# KiCad board PB-TMDSP.kicad_pcb (continued)
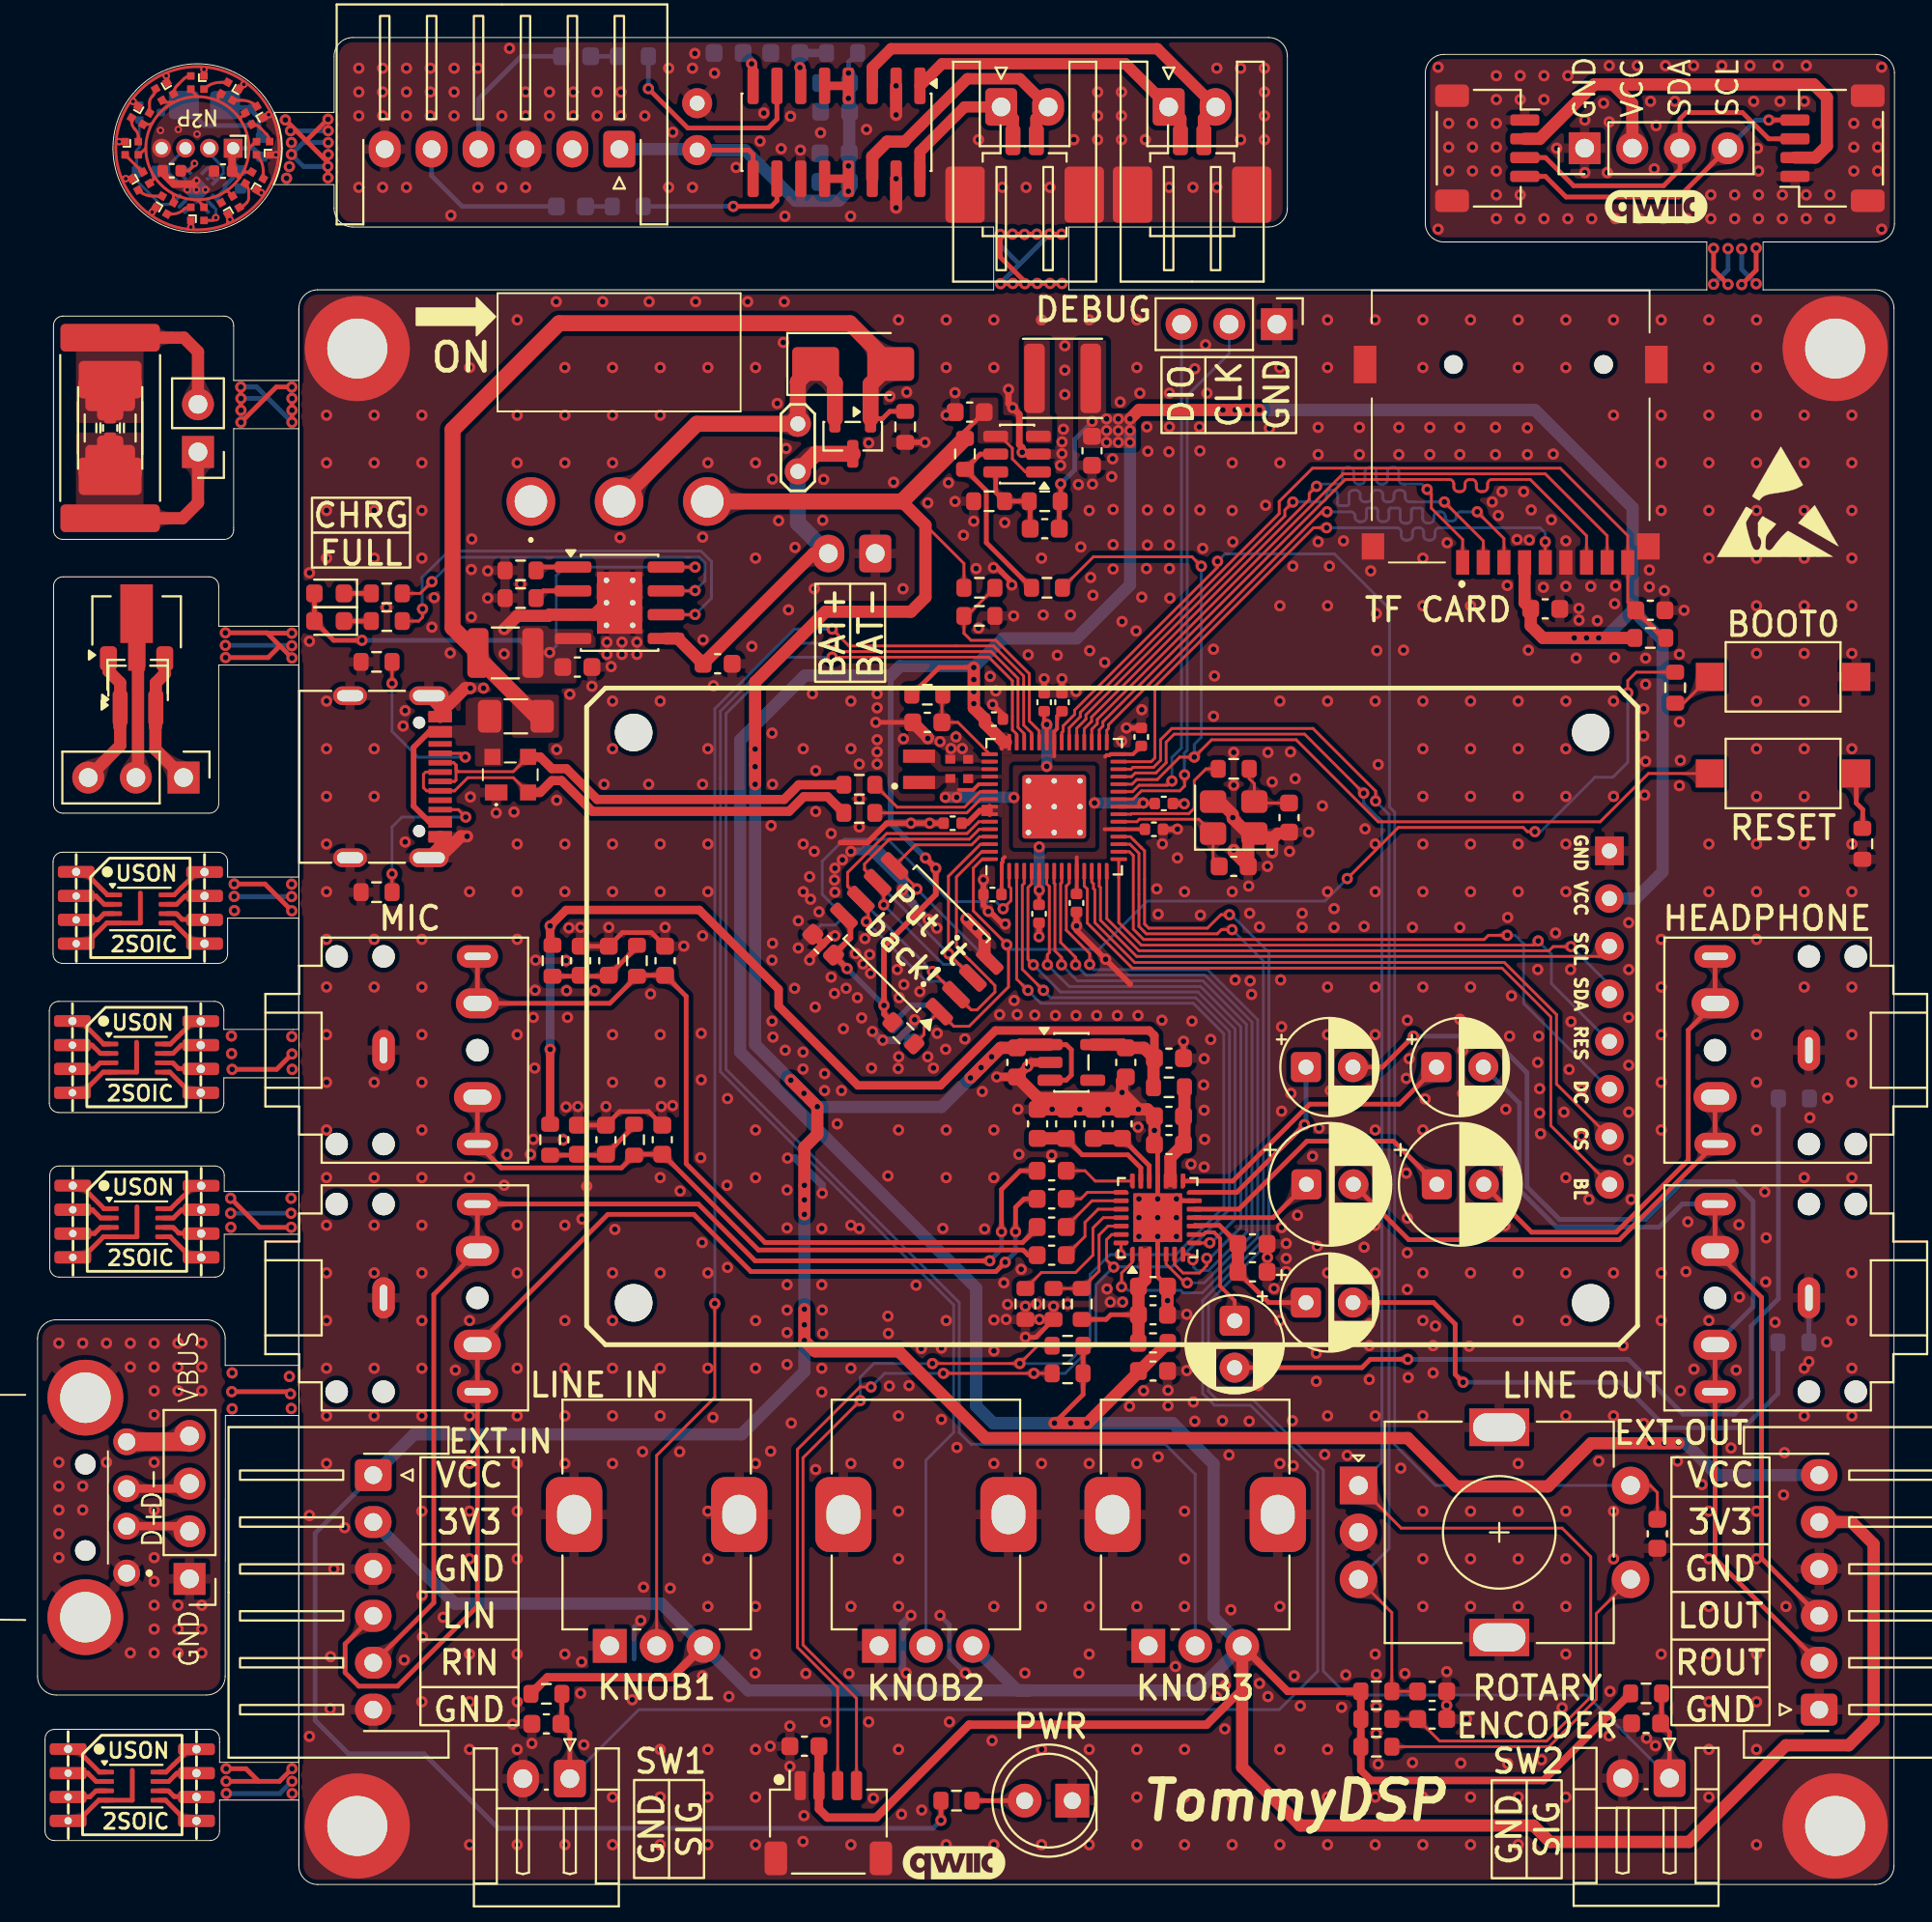
[diagram p0: board, top side]
## Routing (per net, layer and track width the routed paths; a pad name or vN(x,y) marks a point on that pad's centre or on a via; arc(x,y) is an arc through that point)
+1V1: length 21.3
  Top w0.2: 49.09,58.34 49.86,58.34 50.16,58.65 U203.50 ; U203.23 58.72,57.45 v1(58.92,57.64) 58.94,57.62 C209.1 ; U203.6 v1(53.38,52.99) 53.38,52.23 C210.1 ; U203.39 53.78,61.73 53.77,61.74 53.77,61.82 v1(53.78,61.83) 53.64,61.97 C207.1
  Top w0.25: v1(13.48,26.15) 13.36,26.27 v1(10.35,26.27)
  Bottom w0.6: v1(53.38,52.99) v1(53.38,55.3) ; v1(58.92,57.64) 58.91,57.65 v1(56.33,57.65) ; v1(53.78,61.83) v1(53.78,59.6) ; 52.01,57.95 v1(48.38,57.95)
  vias: v1(13.42,27.08) v1(48.98,57.95) v1(52.03,57.94)
+3.3VA: length 56.3
  Top w0.45: R306.1 27.31,50.19 v1(27.31,51.09) 28.17,51.94 35.27,51.94 39.49,47.72 39.49,46.82 43.72,42.59 48.11,42.59 51.04,45.52 59.24,45.52 59.52,45.24 C304.1 ; R304.1 v1(27.31,44.52)
  Top w0.65: R303.1 59.46,43.99 C304.1 58.96,44.59 C404.1 57.82,44.77 U401.5
  Bottom w0.45: v1(27.31,44.52) v1(27.31,51.09)
+3V3: length 452.3
  Top w0.2: C213.1 58.38,60.25 U203.30 57.18,60.25 57.13,60.2 56.97,60.2 56.89,60.12 ; C214.1 59,56.25 U203.20 56.86,56.25 ; C211.1 54.33,62.28 54.33,61.61 54.18,61.45 U203.38 54.18,60.13 ; U203.45 U203.44 ; C212.1 55.38,52.81 U203.11 55.38,54.75 ; C216.1 51.38,52.78 U203.1 51.38,54.45 51.43,54.5 51.43,54.66 51.54,54.77
  Top w0.25: v1(49.89,64.87) 48.04,64.87 R204.1 ; v1(54.52,74.66) 54.52,73.76 R405.1 54.45,73.68 C405.1 ; v1(54.19,24.59) 55.71,26.12 R102.1 R103.1
  Top w0.3: v1(43.14,48.82) C201.1 43.31,50.45 43.31,51.26 U201.8 ; 50.74,57.24 U203.54 ; 50.74,57.24 50.22,57.24 49.54,56.57 C217.1 ; 50.74,57.24 U203.53 ; v1(47.32,54.72) v1(47.86,54.17) 47.86,52.77 45.1,50.01 v1(45.1,46.86) 45.12,46.84 45.12,46.39 R201.1
  Top w0.4: R506.1 80.25,5.54 71.07,5.54 70.52,6.09 R510.1 R508.1 66.61,10.29 RV503.3
  Top w0.45: R505.1 27.17,11.04 33.81,11.04 RV501.3 ; J512.2 C509.1 41.64,4.02 42.09,3.57 44.69,3.57 49.64,8.52 62.3,8.52 64.19,10.41 RV503.3
  Top w0.65: C506.1 58.73,27.37 59.3,27.94 ; J2#3.2 94.73,92.05 95.35,92.67 95.35,95.25 94.65,95.95 82.95,95.95 80.05,93.05 J3.2 ; 51.6,60.89 51.49,60.89 50.48,61.89 C215.1 49.89,62.71 v1(49.89,62.94) v1(49.89,64.87) ; v1(65.11,78.59) 58.69,78.59 v1(58.21,78.12) ; v1(54.19,24.59) 55.95,24.59 59.3,27.94 ; 59.3,27.94 FB301.1 ; 85.11,66.44 v1(83.19,66.44) v1(82.54,66.44) 80.21,66.44 79.57,67.09 79.57,67.99 79.24,68.32 J511.4 ; RV503.3 64.19,6.24 67.29,3.14 79.71,3.14 80.59,2.27 88.02,2.27 93.17,7.42 96.52,7.42 97.84,8.74 97.84,18.14 96.67,19.32 J508.5 ; J1#2.2 84.98,94.92 83.95,95.95
  Bottom w0.25: v1(56.2,77.98) 56.2,77.96 55.27,77.03 55.27,75.4 v1(54.52,74.66)
  Bottom w0.3: C202.1 45.1,46.41 v1(45.1,46.86) v1(43.14,48.82) R202.1 ; C202.1 45.59,46.37 ; C202.1 46.54,46.87 47.72,46.87 U202.8 ; 45.47,64.44 45.47,56.57 v1(47.32,54.72) v1(47.86,54.17)
  Bottom w0.65: 52.82,10.35 37.86,10.35 RV501.3 33.24,14.97 22.24,14.97 J505.2 ; 52.82,10.35 61.82,10.35 RV503.3 62.67,14.24 62.67,22.42 60.49,24.59 50.92,24.59 50.02,25.49 50.02,31.79 37.44,44.37 37.44,60.99 40.89,64.44 45.47,64.44 45.97,64.94 49.96,64.94 51.44,66.42 55.36,66.42 58.21,69.27 v1(58.21,77.49) ; 52.82,10.35 52.21,10.35 RV502.3 ; v1(81.89,66.44) v1(83.19,66.44) 83.52,66.44 85,67.92 ; 85,67.92 86.59,66.33 86.59,53.97 85.17,52.55 83.76,52.55 ; 85,67.92 85,73.39 79.79,78.59 v1(65.11,78.59) v1(63.82,78.59) v1(63.17,78.59) ; v1(49.89,62.94) v1(49.89,64.87)
  vias: v1(49.89,64.23) v1(49.89,63.59) v1(55.05,24.59) v1(55.92,24.59) v1(56.96,78.12) v1(56.96,77.49) v1(56.96,76.87) v1(57.59,78.12) v1(57.59,77.49) v1(57.59,76.87) v1(58.21,76.87) v1(64.46,78.59)
/Audio/AVDD: length 5.8
  Top w0.25: U301.17 U301.16
  Top w0.65: 60.36,37.49 60.36,38.74 C311.1 61.11,39.49 R303.2
/Audio/DVDD: length 8.5
  Top w0.25: R301.1 56.94,30.12 57.19,30.37 C308.1 ; U301.2 U301.3
  Top w0.65: FB301.2 58.67,28.88 C310.1 59.04,32.24 59.04,33.59
/VBAT_ADC: length 11.4
  Top w0.15: R501.2 49.52,67.62 49.36,67.62 49.36,66.69 49.74,66.32 51.07,66.32 52.85,64.54 52.85,62.02 53.38,61.49 U203.40
GND: length 165.3
  Top w0.15: D6.1 6.9,96.37 v2(6.86,96.41) 6.76,96.5 ; 4.25,92.9 v2(4.35,92.9) D4.1 ; 8.16,88.24 8.17,88.25 v2(8.17,88.35) D1.1 ; D8.1 v2(10.99,95.96) 11.06,96.02 11.06,96.05 ; D3.1 v2(4.7,90.93) 4.56,90.93 4.48,91.01 ; D11.1 11.78,90.32 v2(11.92,90.17) 12.04,90.06 12.06,90.06 ; 12.41,94.43 v2(12.31,94.34) 12.15,94.17 D9.1 ; D7.1 v2(8.87,96.75) 8.87,96.83 8.83,96.86 ; 12.83,92.22 12.81,92.2 v2(12.7,92.2) D10.1 ; D12.1 10.14,88.86 v2(10.25,88.75) 10.14,88.64 10.14,88.56 10.15,88.55 ; D5.1 v2(5.09,95.04) 5.05,95.08 5.02,95.08 ; D2.1 6.29,89.33 v2(6.1,89.14) 6,89.04
  Top w0.2: 61.09,57.62 v1(61.11,57.61)
  Top w0.25: v1(52.64,29.17) 53.19,29.17 R302.1 ; U2#2.4 2.59,50.15 3.69,51.25 U1#3.4 5.48,51.25 5.48,52.85 ; U2.4 2.39,42.2 3.49,43.3 U1#4.4 5.28,43.3 5.28,44.9 ; Y201.2 66.61,56.02 C206.2 ; U2#4.4 2.42,33.43 3.51,34.52 U1.4 5.3,34.52 5.3,36.12 ; v1(59.69,35.54) U301.18 59.69,39.27 C311.2 ; v1(59.69,35.54) 60.59,36.44 61.64,36.44 ; v1(59.69,35.54) U301.4 59.69,32.39 60.21,31.87 ; C325.2 32.71,50.74 31.17,50.74 C324.2 C323.2 ; 5.05,6.09 5.05,4.49 U1#5.4 3.26,4.49 2.17,3.39 U2#3.4 ; C208.2 v1(44.67,61.94) ; C322.2 32.56,41.2 31.02,41.2 C321.2 C320.2
  Top w0.3: C215.2 51.44,62.35 v1(50.89,62.9) ; v1(51.92,69.27) 51.92,69.41 51.13,70.19 v1(50.94,70.19) ; v1(60.74,56.26) 60.73,56.24 C214.2 ; C211.2 v1(54.59,64.27) ; C213.2 v1(58.03,61.65) ; C209.2 61.09,57.62 ; C207.2 v1(53.64,64.27) ; v1(55.36,51.09) C212.2 55.36,50.85 58.21,48 58.21,47.99 ; C217.2 v1(47.54,56.57) v1(46.54,56.57) 45.25,56.57 44.22,55.54 42.78,55.54 ; v1(50.41,53.55) C216.2 50.41,52.21 51.42,51.19 v1(51.57,51.19) ; C304.2 v1(61.07,44.94) ; R409.2 v1(47.29,76.87) ; C210.2 v1(53.36,50.52)
  Top w0.35: 51.74,79.77 v1(51.74,79.69) 51.74,78.94 v1(51.96,78.72) 52.32,78.37 52.32,76.75 52.47,76.6 v1(52.47,76.34) 52.73,76.34 52.82,76.24 U402.2
  Top w0.4: C201.2 41.85,50.11 ; 41.85,50.11 41.14,49.41 v1(41.14,49.27) ; 41.85,50.11 42.3,50.57 v1(42.49,50.57) ; v2(8.47,90.82) 8.29,90.64 7.26,90.64 6.67,91.23 C3.2
  Top w0.45: v1(51.11,43.04) C402.2 v1(52.75,43.61) 52.96,43.82 U401.2
  Top w0.65: J501.A12 21.45,55.32 J501.S1 21.41,54.72 22.56,55.87 v1(22.89,55.87) ; C404.2 57.79,42.84 v1(57.79,42.22) ; v1(57.79,42.22) 57.49,41.92 53.32,41.92 C402.2 ; v1(57.79,42.22) C302.2 ; v1(57.79,42.22) 57.79,42.19 v1(58.67,41.32) ; 60.21,31.87 v1(60.21,31.12) 60.21,30.37 ; 20.86,63.36 21.45,62.76 J501.A1 21.45,62.43 22.79,63.77 v1(23.06,63.77) ; v1(58.67,41.32) C302.2 ; v1(58.67,41.32) 59.14,41.32 C309.2 v1(59.52,40.19) C311.2 ; U201.4 50.46,49.49 v1(50.46,50.49) 49.52,51.44 49.52,51.46 ; v1(65.79,55.02) 65.79,55.72 66.09,56.02 ; C302.2 v1(57.04,41.32) v1(55.54,41.32) v1(54.07,41.32) C307.2 ; v1(45.75,94.32) v1(45.75,95.87) ; v1(63.74,55.14) 63.74,55.04 C205.2 64.52,55.69 Y201.2 64.49,56.02 63.69,56.82 v1(63.69,56.87) 63.69,57.04 63.01,57.72 Y201.4 ; v1(47.44,61.09) 47.44,61.14 C208.2 ; U403.9 29.68,67.68 U403.3 27.28,67.68 27.22,67.62 25.56,67.62 v1(24.87,66.92) ; v1(45.75,90.92) v1(45.75,89.37)
  Bottom w0.25: 31.79,12.02 31.79,13.72 v1(32.14,14.07) ; Q1#2.2 5.29,94.85 v2(5.09,95.04) ; v1(49.44,11.27) 48.59,12.12 48.59,13.84 v1(48.09,14.34) ; J510.S R308.1
  Bottom w0.4: v1(46.08,53) 46.08,53.38 44.39,55.07 v1(43.34,55.07) ; C202.2 46.18,45.33 46.18,45.38 ; 46.18,45.38 45.81,45 v1(45.04,45) 44.96,45 v1(44.49,45.47) ; 46.18,45.38 46.74,45.93 v1(46.74,46.09) ; v1(46.29,11.27) 46.09,11.47 46.09,13.89 v1(46.54,14.34) ; v1(41.81,36.84) 41.81,37.28 40.37,38.72 v1(39.97,38.72)
  Bottom w0.45: v1(47.92,50.98) v1(47.46,51.44) 46.18,52.72 46.18,53.8 U202.4 44.81,55.17 44.09,55.17 ; 42.47,52.92 v1(42.49,52.89)
  vias: v1(1.14,28.85) v1(1.14,22.5) v1(1.14,21.23) v1(1.14,19.96) v1(1.14,18.69) v1(1.14,17.42) v1(2.41,28.85) v1(2.41,21.23) v1(2.41,19.96) v1(3.67,28.85) v1(3.67,22.5) v1(4.95,28.85) v1(4.95,27.58) v1(4.95,12.34) v1(6.22,28.85) v1(6.22,27.58) v1(6.22,26.31) v1(6.22,25.04) v1(6.22,22.5) v1(6.22,19.96) v1(6.22,17.42) v1(6.22,16.15) v1(6.22,14.88) v1(6.22,13.61) v1(6.22,12.34) v1(7.48,28.85) v1(7.48,27.58) v1(7.48,26.31) v1(7.48,14.88) v1(7.48,13.61) v1(7.48,12.34) v1(8.76,28.85) v1(8.76,27.58) v1(8.76,26.31) v1(8.76,14.88) v1(8.76,13.61) v1(8.76,12.34) v1(14.49,69.92) v1(14.49,66.27) v1(14.49,19.67) v1(14.49,7.89) v1(15.4,78.32) v1(15.4,75.78) v1(15.4,73.24) v1(15.4,70.7) v1(15.4,63.08) v1(15.4,60.54) v1(15.4,58) v1(15.4,55.46) v1(15.4,52.92) v1(15.4,50.38) v1(15.4,47.84) v1(15.4,45.3) v1(15.4,42.76) v1(15.4,40.22) v1(15.4,37.68) v1(15.4,35.14) v1(15.4,32.6) v1(15.4,30.06) v1(15.4,27.52) v1(15.4,24.98) v1(15.4,22.44) v1(15.59,9.37) v1(15.62,12.14) v1(15.79,16.82) v1(16.37,19.02) v1(17.12,96.81) v1(17.12,95.54) v1(17.12,94.27) v1(17.12,90.46) v1(17.94,78.32) v1(17.94,75.78) v1(17.94,73.24) v1(17.94,70.7) v1(17.94,60.54) v1(17.94,58) v1(17.94,50.38) v1(17.94,47.84) v1(17.94,42.76) v1(17.94,37.68) v1(17.94,35.14) v1(17.94,32.6) v1(17.94,27.52) v1(17.94,24.98) v1(18.39,96.81) v1(18.39,95.54) v1(18.39,94.27) v1(18.39,90.46) v1(18.59,68.07) v1(19.48,61.75) v1(19.59,62.57) v1(19.59,55.57) v1(19.54,11.97) v1(19.66,96.81) v1(19.66,95.54) v1(19.66,94.27) v1(19.66,90.46) v1(20.48,78.32) v1(20.48,75.78) v1(20.48,73.24) v1(20.48,70.7) v1(20.48,50.38) v1(20.48,47.84) v1(20.48,45.3) v1(20.48,42.76) v1(20.48,40.22) v1(20.48,37.68) v1(20.48,35.14) v1(20.48,32.6) v1(20.48,30.06) v1(20.48,27.52) v1(20.48,24.98) v1(20.48,19.9) v1(20.49,15.42) v1(20.48,9.74) v1(20.52,13.19) v1(20.93,96.81) v1(20.93,95.54) v1(20.93,94.27) v1(21.02,67.02) v1(21.14,68.59) v1(21.62,14.24) v1(21.99,65.64) v1(22.03,88.97) v1(22.2,96.81) v1(22.2,95.54) v1(22.2,94.27) v1(22.27,27.42) v1(23.02,83.4) v1(23.02,80.86) v1(23.06,57.97) v1(23.02,52.92) v1(23.02,37.68) v1(23.02,30.06) v1(23.02,24.98) v1(23.02,22.44) v1(23.02,19.9) v1(23.02,17.36) v1(23.02,12.28) v1(23.02,9.74) v1(23.02,7.2) v1(23.02,2.12) v1(23.14,71.72) v1(23.12,70.09) v1(23.12,67.57) v1(23.47,96.81) v1(23.47,90.46) v1(23.77,63.77) v1(23.99,70.02) v1(23.99,68.57) v1(24.44,57.12) v1(24.74,94.27) v1(24.74,90.46) v1(24.87,65.59) v1(24.87,37.27) v1(25.02,38.92) v1(25.15,97.87) v1(25.39,57.17) v1(25.31,8.54) v1(25.56,83.4) v1(25.56,78.32) v1(25.56,75.78) v1(25.56,55.46) v1(25.56,52.92) v1(25.56,50.38) v1(25.56,45.3) v1(25.56,35.14) v1(25.56,32.6) v1(25.56,27.52) v1(25.56,24.98) v1(25.56,22.44) v1(25.56,19.9) v1(25.56,17.36) v1(25.56,12.28) v1(25.56,9.74) v1(25.56,7.2) v1(25.56,2.12) v1(25.74,69.32) v1(26.01,95.54) v1(26.01,94.27) v1(26.01,90.46) v1(26.27,38.92) v1(26.34,7.52) v1(26.42,46.22) v1(26.49,43.52) v1(26.42,39.72) v1(26.54,49.27) v1(26.52,47.67) v1(27.28,95.54) v1(27.28,94.27) v1(27.64,84.37) v1(27.67,60.49) v1(27.67,57.79) v1(28.02,39.69) v1(28.1,80.86) v1(28.1,78.32) v1(28.1,75.78) v1(28.1,55.46) v1(28.1,52.92) v1(28.17,49.24) v1(28.19,47.64) v1(28.17,41.44) v1(28.1,35.14) v1(28.1,30.06) v1(28.1,27.52) v1(28.1,24.98) v1(28.1,22.44) v1(28.1,12.28) v1(28.1,2.12) v1(28.24,46.22) v1(28.37,63.44) v1(28.31,50.99) v1(28.55,95.54) v1(28.55,94.27) v1(28.79,41.47) v1(28.94,51.02) v1(28.99,11.87) v1(28.94,10.19) v1(29.02,35.47) v1(29.12,7.44) v1(29.27,37.22) v1(29.54,63.87) v1(29.69,47.64) v1(29.82,95.54) v1(29.82,94.27) v1(30.12,84.37) v1(30.19,58.64) v1(30.29,41.47) v1(30.34,66.22) v1(30.34,65.57) v1(30.44,51.02) v1(30.56,64.92) v1(30.64,80.86) v1(30.64,78.32) v1(30.64,75.78) v1(30.64,63.08) v1(30.64,60.54) v1(30.64,55.46) v1(30.64,52.92) v1(30.64,45.3) v1(30.64,42.76) v1(30.64,32.6) v1(30.64,30.06) v1(30.64,27.52) v1(30.64,24.98) v1(30.64,22.44) v1(30.64,4.66) v1(30.64,2.12) v1(30.77,34.92) v1(31.09,95.54) v1(31.09,94.27) v1(31.04,71.79) v1(31.14,66.22) v1(31.14,65.57) v1(31.69,9.84) v1(31.94,66.22) v1(31.94,65.57) v1(32.24,23.07) v1(32.29,15.84) v1(32.36,94.27) v1(32.59,84.37) v1(32.56,58.64) v1(32.67,47.47) v1(33.18,80.86) v1(33.18,78.32) v1(33.18,63.08) v1(33.18,55.46) v1(33.18,52.92) v1(33.18,45.3) v1(33.18,42.76) v1(33.18,37.68) v1(33.18,32.6) v1(33.18,27.52) v1(33.18,24.98) v1(33.18,7.2) v1(33.18,4.66) v1(33.18,2.12) v1(33.24,41.47) v1(33.44,51.02) v1(33.63,96.81) v1(33.63,90.46) v1(33.72,15.79) v1(33.85,93.4) v1(33.84,41.52) v1(34.24,36.97) v1(34.22,23.07) v1(34.44,50.02) v1(34.9,96.81) v1(34.9,90.46) v1(35.03,97.6) v1(35.06,84.37) v1(35.37,45.37) v1(35.37,42.89) v1(35.34,38.74) v1(35.44,71.82) v1(35.47,66.34) v1(35.44,58.64) v1(35.44,50.57) v1(35.42,34.22) v1(35.44,11.12) v1(35.72,80.86) v1(35.72,75.78) v1(35.72,60.54) v1(35.72,55.46) v1(35.72,52.92) v1(35.72,32.6) v1(35.72,27.52) v1(35.72,19.9) v1(35.72,17.36) v1(35.72,14.82) v1(35.72,7.2) v1(35.72,4.66) v1(35.72,2.12) v1(35.99,24.89) v1(36.08,96.55) v1(36.02,63.89) v1(36.77,41.89) v1(36.74,37.27) v1(36.77,32.89) v1(36.84,10.02) v1(37.23,91.52) v1(37.84,84.37) v1(38.06,65.99) v1(38.26,80.86) v1(38.26,75.78) v1(38.26,70.7) v1(38.26,40.22) v1(38.26,37.68) v1(38.26,30.06) v1(38.26,27.52) v1(38.26,22.44) v1(38.26,14.82) v1(38.26,12.28) v1(38.24,11.27) v1(38.26,7.2) v1(38.26,4.66) v1(38.26,2.12) v1(38.5,92.92) v1(38.7,94.42) v1(39.09,56.44) v1(39.06,23.09) v1(39.04,7.37) v1(39.17,74.92) v1(39.14,61.37) v1(39.17,58.64) v1(39.17,50.17) v1(39.14,49.27) v1(39.14,46.02) v1(39.19,45.17) v1(39.42,78.94) v1(39.49,72.69) v1(39.62,92.52) v1(39.79,84.37) v1(39.74,82.19) v1(39.83,88.92) v1(39.89,76.54) v1(39.84,44.47) v1(39.94,37.02) v1(39.94,34.99) v1(39.94,31.97) v1(39.94,30.62) v1(39.94,29.42) v1(39.94,27.72) v1(40.02,67.94) v1(40.09,8.44) v1(40.09,6.29) v1(40.12,94.25) v1(40.17,24.59) v1(40.37,71.27) v1(40.34,47.77) v1(40.54,51.37) v1(40.54,49.92) v1(40.65,92.45) v1(40.8,60.54) v1(40.8,55.46) v1(40.8,52.92) v1(40.79,44.37) v1(40.79,43.47) v1(40.79,2.29) v1(40.84,3.67) v1(40.94,11.24) v1(41.14,53.72) v1(41.19,52.52) v1(41.29,63.47) v1(41.39,69.07) v1(41.39,55.07) v1(41.47,59.37) v1(41.47,57.19) v1(41.44,46.77) v1(41.47,22.12) v1(41.64,51.84) v1(41.73,93.37) v1(41.79,34.97) v1(41.79,31.97) v1(41.79,27.52) v1(41.79,26.24) v1(41.89,74.89) v1(41.84,72.72) v1(41.81,30.62) v1(41.84,29.37) v1(41.94,43.22) v1(41.94,42.32) v1(41.99,8.67) v1(42.29,56.02) v1(42.29,48.37) v1(42.49,54.17) v1(42.47,53.54) v1(42.47,47.49) v1(42.62,40.54) v1(42.89,54.62) v1(42.84,42.32) v1(42.94,45.62) v1(43.09,47.77) v1(43.24,11.24) v1(43.33,88.92) v1(43.34,63.08) v1(43.34,60.54) v1(43.34,35.14) v1(43.34,27.52) v1(43.34,22.44) v1(43.34,14.82) v1(43.34,2.12) v1(43.59,49.62) v1(43.69,47.27) v1(43.79,59.72) v1(43.79,57.87) v1(43.79,56.37) v1(43.79,34.97) v1(43.99,49.07) v1(43.92,46.19) v1(44.09,50.42) v1(44.17,93.55) v1(44.29,76.84) v1(44.29,8.67) v1(44.34,49.57) v1(44.39,48.57) v1(44.44,43.52) v1(44.54,4.59) v1(44.74,63.47) v1(44.74,62.72) v1(44.74,61.02) v1(44.74,60.37) v1(44.74,59.72) v1(45.31,37.77) v1(45.31,30.29) v1(45.34,29.37) v1(45.39,26.57) v1(45.42,79.32) v1(45.62,74.74) v1(45.88,83.4) v1(45.81,48.77) v1(45.89,44.12) v1(45.87,43.49) v1(45.88,40.22) v1(45.88,24.98) v1(45.88,22.44) v1(45.88,19.9) v1(45.88,17.36) v1(45.88,14.82) v1(45.88,7.2) v1(45.92,47.27) v1(46.04,3.74) v1(46.12,69.07) v1(46.14,61.07) v1(46.17,47.97) v1(46.31,79.54) v1(46.44,26.59) v1(46.81,31.94) v1(47.02,47.59) v1(47.09,28.57) v1(47.11,3.97) v1(47.44,73.64) v1(47.44,44.12) v1(47.74,43.52) v1(47.94,45.37) v1(48.09,60.92) v1(48.17,28.59) v1(48.17,24.79) v1(48.24,34.97) v1(48.39,44.52) v1(48.42,83.4) v1(48.42,80.86) v1(48.42,78.32) v1(48.42,40.22) v1(48.42,37.68) v1(48.42,30.06) v1(48.42,2.12) v1(48.54,74.72) v1(48.59,8.67) v1(48.68,60.55) v1(48.89,79.52) v1(48.89,73.72) v1(48.94,61.17) v1(48.99,23.29) v1(49.28,60.55) v1(49.34,71.92) v1(49.49,51.49) v1(49.42,45.07) v1(49.89,72.67) v1(49.96,50.99) v1(50.02,70.14) v1(50.14,93) v1(50.14,66.97) v1(50.34,42.27) v1(50.46,34.94) v1(50.67,51.87) v1(50.77,64.39) v1(50.86,7.67) v1(50.96,83.4) v1(50.96,80.86) v1(50.96,40.22) v1(50.96,37.68) v1(50.96,30.09) v1(50.96,28.44) v1(50.96,22.44) v1(50.96,14.82) v1(50.96,2.12) v1(51.07,63.62) v1(51.27,46.37) v1(51.41,90.46) v1(51.49,32.07) v1(51.54,72.59) v1(51.69,30.92) v1(51.61,30.12) v1(52.02,67.62) v1(52.04,47.12) v1(52.2,46.37) v1(52.24,41.32) v1(52.29,38.92) v1(52.42,32.79) v1(52.68,90.46) v1(52.64,30.82) v1(52.61,11.27) v1(52.79,65.54) v1(53.14,46.34) v1(53.24,30.94) v1(53.39,30.12) v1(53.5,83.4) v1(53.5,70.7) v1(53.59,67.67) v1(53.5,22.44) v1(53.5,14.82) v1(53.5,7.2) v1(53.5,2.12) v1(53.95,90.46) v1(54.04,38.87) v1(54.14,30.82) v1(54.24,46.32) v1(54.34,65.52) v1(54.59,76.89) v1(54.59,76.27) v1(54.52,75.64) v1(54.67,77.57) v1(54.74,82.02) v1(54.74,80.72) v1(54.74,79.42) v1(54.89,30.94) v1(55.04,67.67) v1(55.22,93) v1(55.34,63.59) v1(55.34,46.32) v1(55.46,74.62) v1(55.49,11.27) v1(55.59,71.29) v1(56.04,83.4) v1(56.04,73.24) v1(56.07,65.77) v1(56.04,22.44) v1(56.04,14.82) v1(56.04,12.28) v1(56.04,7.2) v1(56.04,2.12) v1(56.11,69.67) v1(56.21,74.64) v1(56.24,68.72) v1(56.49,95.54) v1(56.49,94.27) v1(56.49,93) v1(56.44,46.32) v1(56.86,65.14) v1(56.92,49.32) v1(56.99,31.74) v1(57.17,31.04) v1(57.29,75.99) v1(57.24,75.04) v1(57.32,73.29) v1(57.32,71.42) v1(57.32,70.12) v1(57.54,46.32) v1(57.69,79.02) v1(57.76,95.54) v1(57.76,94.27) v1(57.76,93) v1(57.79,67.32) v1(57.77,60.94) v1(57.82,31.04) v1(58.19,25.49) v1(58.58,83.4) v1(58.58,80.86) v1(58.54,66.82) v1(58.58,22.44) v1(58.58,14.82) v1(58.58,7.2) v1(58.58,4.66) v1(58.58,2.12) v1(58.64,46.32) v1(58.64,40.37) v1(58.69,36.54) v1(58.69,35.54) v1(58.69,34.54) v1(58.74,79.49) v1(58.84,68.62) v1(58.84,62.62) v1(58.94,26.32) v1(59.03,93) v1(59.09,70.14) v1(59.11,77.69) v1(59.17,76.39) v1(59.14,73.27) v1(59.14,71.39) v1(59.64,53.07) v1(59.69,36.54) v1(59.69,34.54) v1(59.71,51.72) v1(59.71,22.79) v1(59.94,55.47) v1(59.92,46.07) v1(60.3,90.46) v1(60.29,76.37) v1(60.29,73.27) v1(60.24,26.34) v1(60.24,25.52) v1(60.32,79.49) v1(60.32,77.69) v1(60.32,71.39) v1(60.32,70.14) v1(60.34,68.57) v1(60.69,36.54) v1(60.69,35.54) v1(60.69,34.54) v1(60.64,11.62) v1(60.74,54.72) v1(61.12,52.92) v1(61.12,19.9) v1(61.12,17.36) v1(61.12,14.82) v1(61.12,7.2) v1(61.12,4.66) v1(61.12,2.12) v1(61.24,30.39) v1(61.24,27.39) v1(61.46,38.39) v1(61.57,90.46) v1(61.52,46.02) v1(61.59,25.72) v1(61.67,80.79) v1(61.67,24.69) v1(61.92,77.69) v1(61.94,76.42) v1(61.94,73.27) v1(61.96,51.67) v1(62.09,71.22) v1(62.17,44.02) v1(62.14,42.62) v1(62.17,41.27) v1(62.19,39.72) v1(62.17,38.24) v1(62.24,82.07) v1(62.32,79.49) v1(62.52,45.04) v1(62.67,65.84) v1(62.67,62.27) v1(62.71,64.42) v1(62.84,96.81) v1(62.84,90.46) v1(62.82,9.99) v1(63.14,24.72) v1(63.29,10.62) v1(63.27,8.29) v1(63.49,22.89) v1(63.59,14.64) v1(63.66,75.78) v1(63.66,73.24) v1(63.69,71.57) v1(63.66,52.92) v1(63.66,4.66) v1(63.66,2.12) v1(63.74,60.34) v1(63.74,58.59) v1(63.82,48.22) v1(64.11,96.81) v1(64.11,93) v1(64.54,53.22) v1(64.59,51.77) v1(64.57,24.69) v1(64.61,48.17) v1(64.69,47.44) v1(65.04,26.59) v1(65.11,51.04) v1(65.11,10.72) v1(65.21,28.34) v1(65.38,96.81) v1(65.38,95.54) v1(65.38,94.27) v1(65.38,93) v1(65.44,73.52) v1(65.57,60.34) v1(65.54,54.27) v1(65.54,33.42) v1(65.57,10.02) v1(65.64,77.62) v1(65.79,58.77) v1(65.89,31.77) v1(66.2,80.86) v1(66.2,75.78) v1(66.2,68.16) v1(66.2,63.08) v1(66.2,30.06) v1(66.2,22.44) v1(66.2,14.82) v1(66.2,7.2) v1(66.2,2.12) v1(66.24,48.22) v1(66.29,45.72) v1(66.29,41.22) v1(66.29,35.02) v1(66.54,34.17) v1(66.54,33.37) v1(66.54,32.67) v1(66.77,60.37) v1(66.71,55.07) v1(66.79,42.17) v1(66.89,70.27) v1(66.86,24.72) v1(66.92,22.32) v1(66.96,11.12) v1(67.02,58.94) v1(67.14,35.67) v1(67.29,9.52) v1(67.39,51.77) v1(67.39,51.02) v1(67.74,56.09) v1(67.94,38.82) v1(68.19,34.02) v1(68.14,28.32) v1(68.14,26.82) v1(68.24,77.67) v1(68.24,76.22) v1(68.24,71.57) v1(68.29,40.32) v1(68.46,57.49) v1(68.59,22.92) v1(68.74,83.4) v1(68.74,80.86) v1(68.74,68.16) v1(68.74,63.08) v1(68.74,52.92) v1(68.74,47.84) v1(68.74,45.3) v1(68.74,32.6) v1(68.74,24.98) v1(68.74,7.2) v1(68.74,4.66) v1(68.74,2.12) v1(68.84,70.27) v1(68.89,42.32) v1(69.09,52.02) v1(69.09,51.02) v1(69.44,40.32) v1(69.49,9.44) v1(69.59,71.62) v1(69.79,22.87) v1(69.71,11.17) v1(70.44,77.67) v1(70.44,76.22) v1(70.69,51.07) v1(70.69,33.97) v1(70.74,56.27) v1(70.94,42.37) v1(70.99,38.92) v1(70.99,29.89) v1(70.96,28.72) v1(70.96,26.92) v1(71.04,70.02) v1(71.28,83.4) v1(71.28,63.08) v1(71.28,55.46) v1(71.28,52.92) v1(71.28,47.84) v1(71.28,45.3) v1(71.28,40.22) v1(71.28,35.14) v1(71.28,32.6) v1(71.28,24.98) v1(71.28,12.28) v1(71.28,4.66) v1(71.28,2.12) v1(71.34,67.74) v1(71.36,65.77) v1(71.34,11.19) v1(71.34,9.47) v1(71.34,8.04) v1(71.44,59.69) v1(71.44,6.42) v1(72.54,77.67) v1(72.54,76.22) v1(72.64,22.19) v1(72.79,65.79) v1(72.86,11.24) v1(72.99,46.07) v1(72.94,42.97) v1(72.94,37.92) v1(72.99,35.52) v1(72.99,33.67) v1(72.99,31.72) v1(73.09,44.02) v1(73.04,27.02) v1(73.27,51.02) v1(73.27,6.49) v1(73.82,83.4) v1(73.82,80.86) v1(73.82,70.7) v1(73.82,68.16) v1(73.82,63.08) v1(73.82,60.54) v1(73.82,58) v1(73.82,55.46) v1(73.82,52.92) v1(73.82,47.84) v1(73.82,40.22) v1(73.82,32.6) v1(73.82,30.06) v1(73.82,24.98) v1(73.82,19.9) v1(73.82,17.36) v1(73.82,14.82) v1(73.82,4.66) v1(73.82,2.12) v1(73.94,41.87) v1(74.19,77.67) v1(74.19,76.22) v1(74.36,28.72) v1(74.36,27.27) v1(74.49,29.77) v1(74.63,96.87) v1(74.63,88.23) v1(75.09,11.34) v1(75.09,9.54) v1(75.2,93.87) v1(75.2,92.6) v1(75.2,91.33) v1(75.11,71.52) v1(75.79,77.67) v1(75.79,76.22) v1(75.79,51.02) v1(75.79,46.12) v1(75.84,6.47) v1(75.94,44.47) v1(75.94,42.17) v1(76.14,8.82) v1(76.29,28.69) v1(76.36,83.4) v1(76.36,68.16) v1(76.36,63.08) v1(76.36,60.54) v1(76.36,58) v1(76.36,55.46) v1(76.36,52.92) v1(76.36,47.84) v1(76.36,40.22) v1(76.36,35.14) v1(76.36,32.6) v1(76.36,19.9) v1(76.36,17.36) v1(76.36,14.82) v1(76.36,4.66) v1(76.36,2.12) v1(76.46,93.87) v1(76.46,92.6) v1(76.46,91.33) v1(77.52,73.69) v1(77.69,77.67) v1(77.69,76.22) v1(77.73,96.41) v1(77.73,95.14) v1(77.73,93.87) v1(77.73,92.6) v1(77.73,91.33) v1(77.73,90.06) v1(77.73,88.79) v1(77.84,72.97) v1(78.04,74.24) v1(78.19,38.27) v1(78.19,35.12) v1(78.24,41.32) v1(78.32,69.24) v1(78.34,51.54) v1(78.34,6.44) v1(78.44,45.22) v1(78.54,47.37) v1(78.9,83.4) v1(78.9,80.86) v1(78.84,71.69) v1(78.9,63.08) v1(78.9,60.54) v1(78.9,58) v1(78.9,55.46) v1(78.9,52.92) v1(78.9,32.6) v1(78.9,30.06) v1(78.9,22.44) v1(78.9,19.9) v1(78.9,17.36) v1(78.9,14.82) v1(78.9,4.66) v1(78.9,2.12) v1(79.01,96.41) v1(79.01,95.14) v1(79.01,90.06) v1(79.01,88.79) v1(79.19,74.24) v1(79.39,77.64) v1(79.39,76.22) v1(79.49,71.67) v1(79.44,65.79) v1(79.59,73.27) v1(79.94,48.77) v1(79.99,45.22) v1(79.94,43.82) v1(80.04,42.42) v1(80.04,41.12) v1(80.09,40.02) v1(80.14,6.64) v1(80.27,96.41) v1(80.27,95.14) v1(80.27,88.79) v1(80.24,69.14) v1(80.67,72.74) v1(80.77,76.24) v1(80.89,50.72) v1(80.95,92.55) v1(81.24,9.42) v1(81.34,41.17) v1(81.44,83.4) v1(81.44,80.86) v1(81.44,71.62) v1(81.44,69.19) v1(81.44,63.08) v1(81.44,60.54) v1(81.44,58) v1(81.44,55.46) v1(81.44,52.92) v1(81.44,37.68) v1(81.44,32.6) v1(81.44,30.06) v1(81.44,24.98) v1(81.44,19.9) v1(81.44,17.36) v1(81.44,14.82) v1(81.44,12.28) v1(81.44,4.66) v1(81.55,96.41) v1(81.55,88.79) v1(81.69,48.77) v1(81.61,43.44) v1(81.71,45.99) v1(81.99,65.37) v1(82.14,68.02) v1(82.14,67.39) v1(82.29,42.39) v1(82.27,39.89) v1(82.45,94.05) v1(82.45,91.25) v1(82.67,36.52) v1(82.77,69.19) v1(82.82,88.79) v1(83.11,67.37) v1(83.19,22.57) v1(83.45,94.95) v1(83.65,91.25) v1(83.75,96.95) v1(83.75,93.95) v1(83.79,10.29) v1(83.74,7.92) v1(83.98,83.4) v1(83.98,78.32) v1(83.98,63.08) v1(83.98,58) v1(83.98,32.6) v1(83.98,24.98) v1(83.98,19.9) v1(83.98,17.36) v1(84.08,88.79) v1(84.09,69.22) v1(84.04,68.27) v1(84.04,65.39) v1(84.49,28.72) v1(84.79,51.27) v1(84.79,48.77) v1(84.79,46.22) v1(84.79,43.67) v1(84.79,41.17) v1(84.79,38.62) v1(84.92,36.52) v1(85.25,96.95) v1(85.36,88.79) v1(85.59,62.67) v1(85.59,61.22) v1(85.59,24.57) v1(85.69,65.37) v1(85.69,63.97) v1(85.69,59.87) v1(85.64,58.07) v1(85.74,7.79) v1(85.89,70.07) v1(85.89,69.17) v1(85.95,95.05) v1(86.15,91.45) v1(86.25,93.75) v1(86.21,7.39) v1(86.52,83.4) v1(86.52,78.32) v1(86.52,75.78) v1(86.52,73.24) v1(86.52,50.38) v1(86.52,47.84) v1(86.52,45.3) v1(86.52,42.76) v1(86.52,40.22) v1(86.52,32.6) v1(86.52,30.06) v1(86.52,12.28) v1(86.63,88.79) v1(86.69,68.97) v1(86.75,96.95) v1(87.25,95.05) v1(87.39,22.57) v1(87.49,65.57) v1(87.49,61.97) v1(87.49,58.57) v1(87.54,59.92) v1(87.54,26.32) v1(87.74,67.92) v1(87.89,88.79) v1(87.84,32.67) v1(87.94,35.32) v1(88.25,96.95) v1(88.27,27.47) v1(88.69,21.32) v1(89.06,83.4) v1(89.06,80.86) v1(89.06,78.32) v1(89.06,75.78) v1(89.06,73.24) v1(89.06,70.7) v1(89.06,55.46) v1(89.06,52.92) v1(89.06,30.06) v1(89.06,19.9) v1(89.06,17.36) v1(89.06,14.82) v1(89.06,12.28) v1(89.06,9.74) v1(89.06,7.2) v1(89.06,4.66) v1(89.17,90.06) v1(89.17,88.79) v1(89.75,96.95) v1(90.24,23.27) v1(90.44,90.06) v1(90.44,88.79) v1(90.52,27.42) v1(90.67,35.17) v1(90.69,31.32) v1(91.25,96.95) v1(91.45,95.05) v1(91.65,92.55) v1(91.6,83.4) v1(91.6,80.86) v1(91.6,78.32) v1(91.6,75.78) v1(91.6,73.24) v1(91.6,70.7) v1(91.6,68.16) v1(91.6,65.62) v1(91.6,63.08) v1(91.6,60.54) v1(91.6,58) v1(91.6,55.46) v1(91.6,52.92) v1(91.6,50.38) v1(91.6,45.3) v1(91.6,42.76) v1(91.6,40.22) v1(91.6,19.9) v1(91.6,17.36) v1(91.6,12.28) v1(91.6,9.74) v1(91.6,7.2) v1(91.6,2.12) v1(91.7,91.33) v1(91.7,90.06) v1(91.7,88.79) v1(92.04,36.92) v1(92.09,32.12) v1(92.11,34.47) v1(92.59,29.97) v1(92.75,96.95) v1(92.85,95.05) v1(92.98,90.06) v1(92.98,88.79) v1(93.09,23.02) v1(93.04,20.77) v1(93.17,14.82) v1(94.15,95.05) v1(94.14,78.32) v1(94.14,75.78) v1(94.14,73.24) v1(94.14,70.7) v1(94.14,68.16) v1(94.14,65.62) v1(94.14,63.08) v1(94.14,60.54) v1(94.14,58) v1(94.14,55.46) v1(94.14,52.92) v1(94.14,47.84) v1(94.14,37.68) v1(94.14,27.52) v1(94.14,24.98) v1(94.25,96.95) v1(94.24,90.06) v1(94.24,88.79) v1(94.39,27.87) v1(94.44,40.87) v1(95.39,41.92) v1(95.34,28.92) v1(95.52,90.06) v1(95.52,88.79) v1(96.68,78.32) v1(96.68,75.78) v1(96.68,73.24) v1(96.68,70.7) v1(96.68,68.16) v1(96.68,65.62) v1(96.68,60.54) v1(96.68,55.46) v1(96.68,52.92) v1(96.68,47.84) v1(96.68,45.3) v1(96.68,42.76) v1(96.68,37.68) v1(96.68,32.6) v1(96.68,30.06) v1(96.68,27.52) v1(96.68,24.98) v1(96.79,93.87) v1(96.79,92.6) v1(96.79,91.33) v1(98.05,93.87) v1(98.05,92.6) v1(98.05,91.33) v1(98.27,96.87) v1(98.27,88.23) v2(6.55,93.5) v2(7.5,93.55) v2(7.98,90.34) v2(8.5,93.3) v2(8.47,90.34) v2(8.95,90.34)
